# Altium PCB Mynd_Main.PcbDoc (part 4 of 5)
Units mm, origin at the board's own origin, x right, y up, seen from the top; angles counter-clockwise.
Board outline 75 x 136 mm, 4 copper layers (Component Side, Mid Layer 1, Mid Layer 2, Solder Side), stack 1.58 mm thick; 561 components, 261 nets, 1529 pads, 1417 vias.
Unrouted connection lines stored in the file: 7.
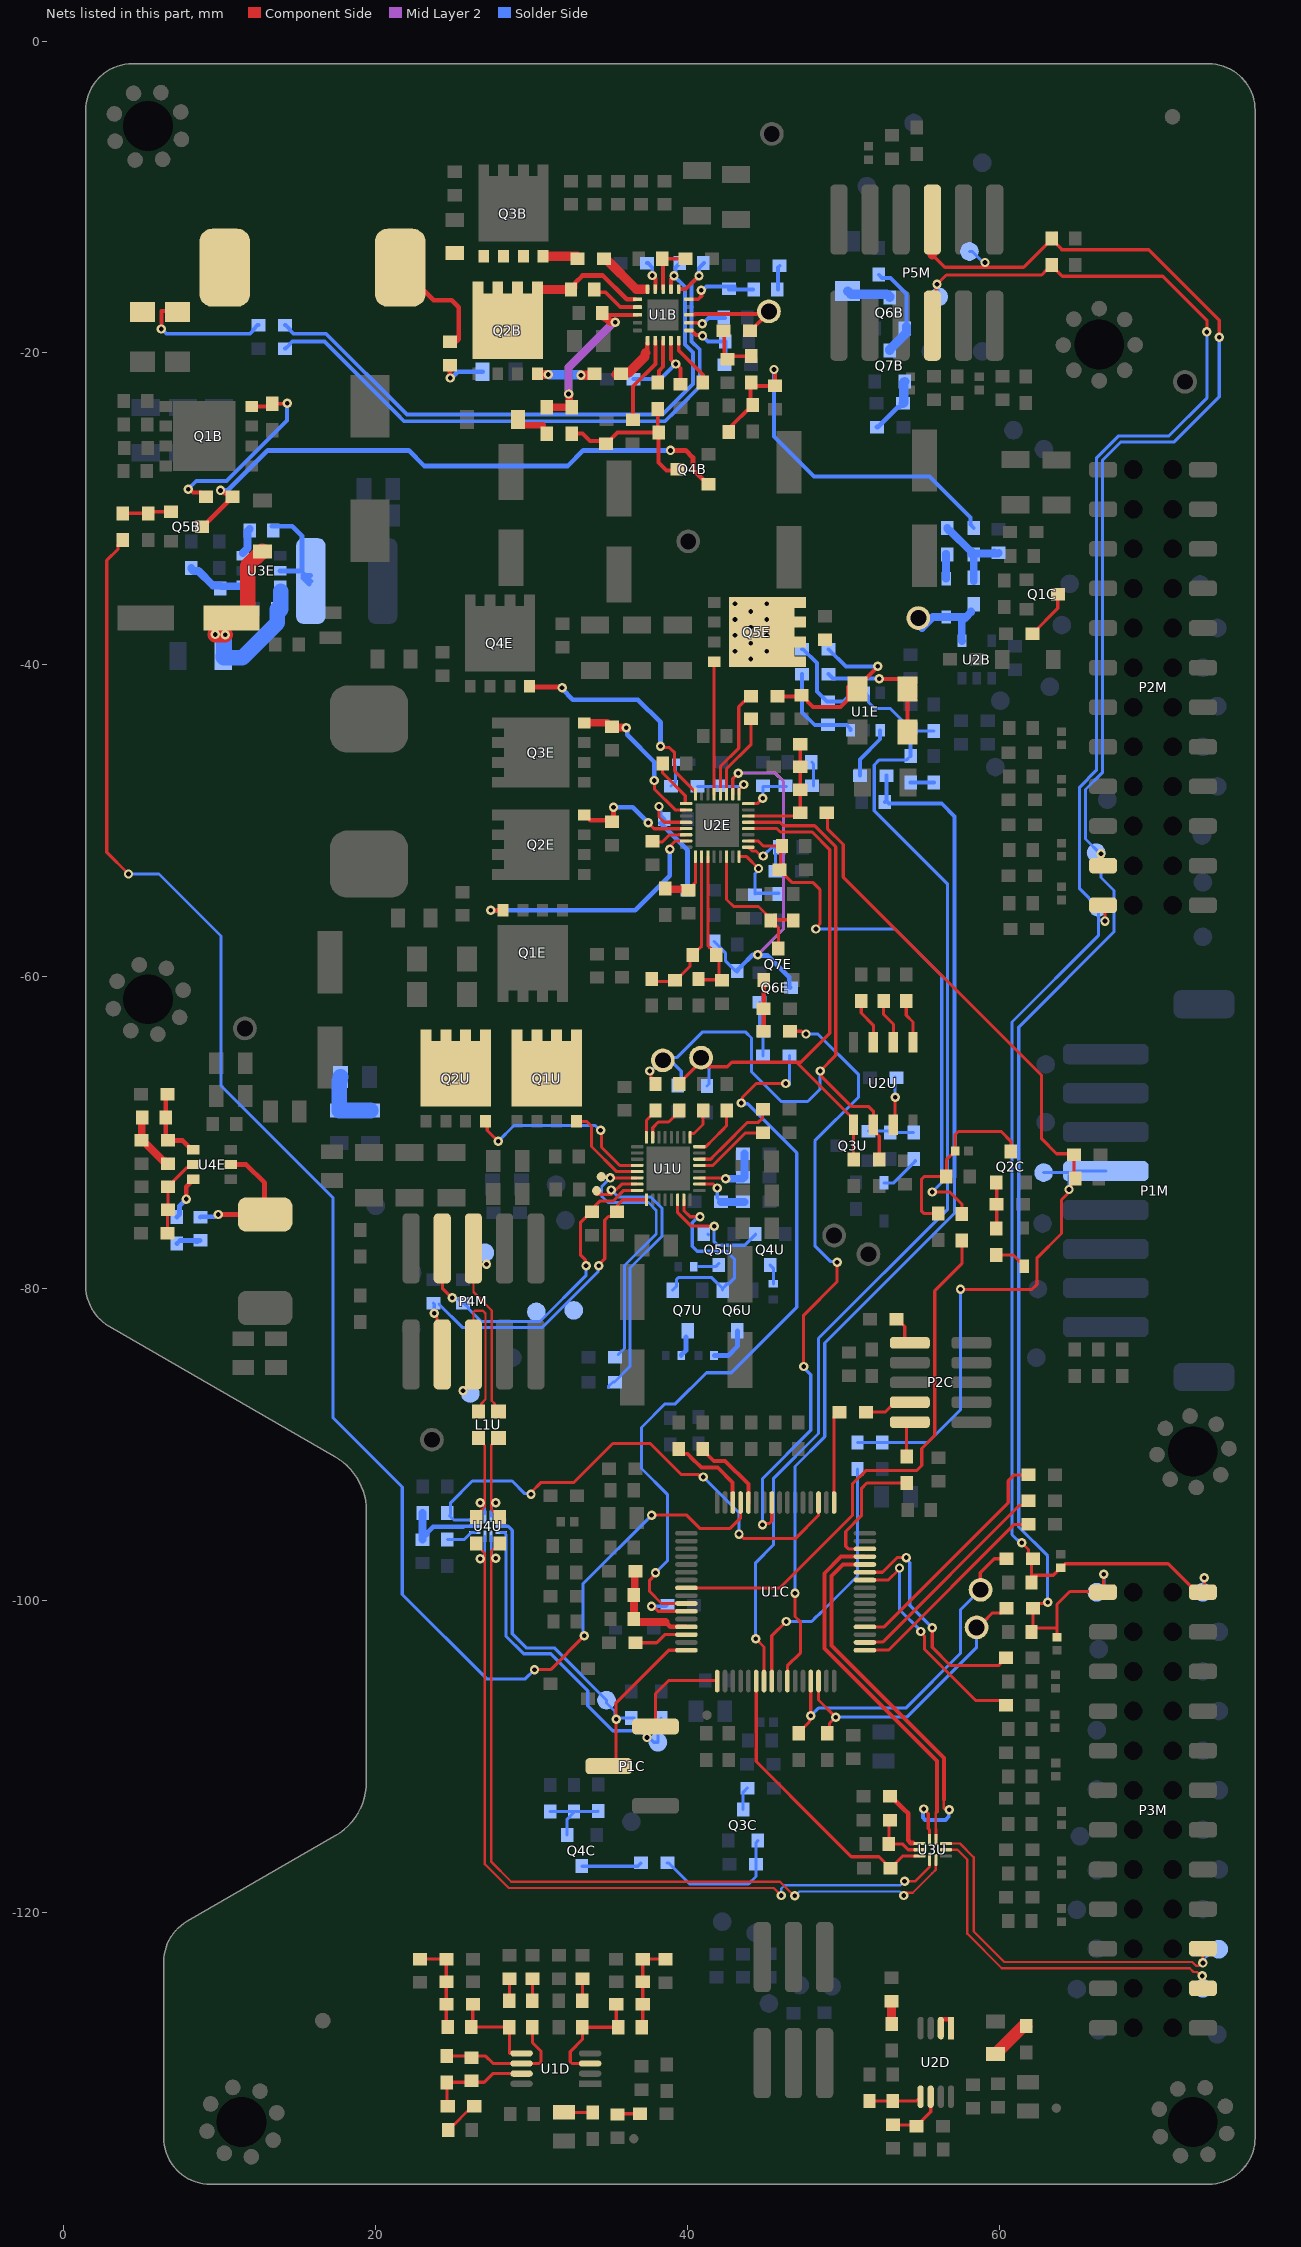
[diagram p6: the nets of this part, all layers, seen from the top]

## Via types
v1: diameter 0.6, hole 0.3, Component Side to Solder Side, tented both sides, 1239 vias
v2: diameter 0.61, hole 0.305, Component Side to Solder Side, tented both sides, 110 vias
v3: diameter 0.7, hole 0.3, Component Side to Solder Side, tented both sides, 50 vias
v4: diameter 0.55, hole 0.25, Component Side to Solder Side, tented both sides, 15 vias
v5: diameter 0.65, hole 0.3, Component Side to Solder Side, tented both sides, 2 vias
v6: diameter 0.55, hole 0.3, Component Side to Solder Side, tented both sides, 1 vias

## Nets (pads, with @x,y where several pads share a name; then routed paths per layer and width w, separated by ;. In a path a pad name is that pad's centre, name@x,y a point inside that pad or via, vN(x,y) a via of type N, cw(c..) or ccw(c..) an arc to the next point about the centre after c; other vN are vias at no path point) (continued)
NetC4C_1: C4C.1 ESD3C.2 FB3C.2 Q2C.D | length 12.3
  Component Side w0.2: FB3C.2@56.067,-75.182 55.157,-75.182 54.992,-75.017 54.992,-73.007 55.192,-72.807 C4C.1@56.597,-72.807 56.597,-71.752 ESD3C.2@57.167,-71.182 57.142,-71.157 57.142,-70.157 57.367,-69.932 60.117,-69.932 60.737,-70.552 Q2C.D@60.737,-71.2
NetC4D_2: C4D.2 R4D.1 | length 1.5
  Component Side w0.2: C4D.2@35.5,-132.93 R4D.1@36.95,-132.93
NetC5D_1: C5D.1 R2D.1 U2D.6 | length 3.8
  Component Side w0.2: C5D.1@53.217,-133.637 54.572,-133.637 R2D.1@54.667,-133.732 55.592,-132.807 U2D.6@55.592,-131.832
NetC6D_1: C6D.1 R5D.1 | length 1.4
  Component Side w0.2: R5D.1@33.25,-125.68 C6D.1@33.25,-124.33
NetC7D_1: C7D.1 R6D.2 | length 1.5
  Component Side w0.6: C7D.1@53.067,-125.707 53.08,-125.72 53.08,-127.169 R6D.2@53.092,-127.182
NetC8D_1: C8D.1 C19D.1 R8D.1 R10D.2 R12D.1 | length 5.8
  Component Side w0.2: C8D.1@37.1,-127.38 37.123,-127.357 R10D.2@37.123,-123.014 37.125,-123.012 C19D.1@38.592,-123.012
NetC8D_2: C8D.2 R5D.2 R8D.2 U1D.3 | length 7.5
  Component Side w0.2: R5D.2@33.25,-127.38 33.25,-128.165 32.472,-128.943 32.472,-129.588 32.589,-129.705 33.196,-129.705 U1D.3@33.75,-129.705 ; R5D.2@33.25,-127.38 C8D.2@35.425,-127.38 ; R8D.2@35.425,-125.905 35.425,-127.305 C8D.2@35.5,-127.38
NetC9D_1: C9D.1 R7D.2 | length 1.8
  Component Side w0.2: C9D.1@32.075,-132.855 R7D.2@33.925,-132.855
NetC10D_1: C10D.1 R13D.2 R15D.2 U1D.7 | length 5.8
  Component Side w0.2: R15D.2@24.575,-132.432 24.575,-130.955 R13D.2@24.55,-130.93 24.575,-130.905 26.95,-130.905 27.5,-130.355 28.58,-130.355
NetC10D_2: C10D.2 R13D.1 R14D.2 U1D.6 | length 8.7
  Component Side w0.2: R13D.1@24.55,-129.23 27.05,-129.23 27.525,-129.705 28.58,-129.705 U1D.6@29.35,-129.705 30.48,-129.705 30.597,-129.588 30.597,-128.913 30.05,-128.366 R14D.2@30.05,-127.38
NetC11D_1: C11D.1 R14D.1 | length 1.4
  Component Side w0.2: R14D.1@30.05,-125.68 C11D.1@30.05,-124.33
NetC12D_2: C12D.2 R15D.1 | length 2.3
  Component Side w0.2: C12D.2@24.662,-133.982 24.662,-133.975 26.205,-132.432 R15D.1@26.317,-132.432
NetC13D_1: C13D.1 R16D.1 | length 1.4
  Component Side w0.2: R16D.1@28.575,-125.68 28.575,-125.03 C13D.1@28.575,-124.33
NetC14D_1: C14D.1 C20D.1 R17D.1 R18D.2 R19D.2 | length 6.1
  Component Side w0.2: C20D.1@22.842,-123.007 24.523,-123.007 R18D.2@24.525,-123.005 24.525,-127.305 C14D.1@24.575,-127.355
NetC14D_2: C14D.2 R16D.2 R17D.2 U1D.5 | length 5.6
  Component Side w0.2: R17D.2@26.225,-125.905 26.225,-127.305 26.175,-127.355 28.55,-127.355 R16D.2@28.575,-127.38 28.575,-129.05 28.58,-129.055
NetC14U_1: C14U.1 R20U.2 U3U.9 | length 3.4
  Component Side w0.2: R20U.2@52.978,-114.094 52.912,-114.16 C14U.1@52.912,-115.618 53.766,-115.618 54.146,-115.998 U3U.9@54.641,-115.998
NetC16E_2: C16E.2 C25E.1 R5E.2 U2E.3 | length 9.3
  Component Side w0.2: R5E.2@40.88,-60.2 41.724,-60.2 42.005,-60.2 42.005,-58.76 C25E.1@41.845,-58.6 ; U2E.3@41.3,-52.3 41.3,-58 41.545,-58.245 41.545,-58.25 C25E.1@41.897,-58.602
NetC17B_1: C17B.1 C24B.1 L1B.2 Q2B.5 Q2B.6 Q2B.7 Q2B.8 Q3B.1 Q3B.2 Q3B.3 R1B.1 U1B.6 | length 13.2
  Component Side w0.3: L1B.2@22.285,-15.087 22.285,-15.2 23.71,-16.624 24.862,-16.624 25.316,-17.079 25.316,-19.129 C17B.1@25.208,-19.237 ; 30.738,-15.882 30.788,-15.932 ; C24B.1@32.617,-16.027 32.788,-15.857 32.788,-15.507 33.263,-15.032 34.567,-15.032 36.092,-16.557 U1B.6@36.633,-16.557
  Component Side w0.6: 30.788,-15.932 C24B.1@32.522,-15.932
NetC17B_2: C17B.2 R7B.2 | length 3.1
  Component Side w0.3: C17B.2@24.767,-20.787 24.767,-21.598 v1(24.776,-21.607)
  Solder Side w0.3: v1(24.776,-21.607) 24.857,-21.607 25.006,-21.458 25.257,-21.207 25.444,-21.207 R7B.2@26.858,-21.207
NetC17E_2: C17E.2 C25E.2 R6E.2 U2E.2 | length 10.1
  Component Side w0.2: R6E.2@37.7,-60.15 37.85,-60.3 38.85,-60.3 39,-60.15 C17E.2@39,-60.1 ; C17E.2@39.2,-60.245 39.25,-60.245 40.145,-59.35 C25E.2@40.145,-58.6 ; C25E.2@40.345,-58.6 40.345,-58.55 40.645,-58.25 40.695,-58.25 40.9,-58.045 U2E.2@40.9,-52.3
NetC18E_2: C18E.2 U2E.30 | length 2.4
  Component Side w0.2: C18E.2@37.75,-51.32 37.797,-51.367 38.383,-51.367 38.84,-50.91 39.411,-50.91 39.421,-50.9 U2E.30@39.9,-50.9
NetC19E_2: C19E.2 Q2E.4 U2E.29 | length 8.2
  Component Side w0.2: v1(37.467,-50.132) 37.847,-50.512 39.588,-50.512 39.6,-50.5 U2E.29@39.895,-50.5
  Component Side w0.3: Q2E.4@33.367,-49.627 33.417,-49.627 33.756,-49.965 C19E.2@35.255,-49.965 ; v1(35.247,-49.136) 35.247,-49.957 C19E.2@35.255,-49.965 ; C19E.2@35.367,-50.077 C19E.2@35.255,-49.965
  Solder Side w0.3: v1(35.247,-49.136) 36.471,-49.136 v1(37.467,-50.132)
NetC19U_1: C19U.1 R28U.2 U4U.9 | length 5.1
  Solder Side w0.2: 25.605,-95.28 25.635,-95.25 U4U.9@26.4,-95.25
  Solder Side w0.3: C19U.1@23.2,-95.855 23.3,-95.755 23.3,-95.655 23.675,-95.28 25.605,-95.28
  Solder Side w0.5: C19U.1@23,-96.005 R28U.2@23,-94.4
NetC20E_1: C20E.1 U2E.25 | length 3.6
  Component Side w0.2: C20E.1@38.122,-46.032 C20E.1@38.422,-46.332 ; C20E.1@38.386,-46.368 38.386,-46.929 39.85,-48.392 U2E.25@39.85,-48.9
NetC21E_1: C21E.1 Q3E.4 U2E.26 | length 10.1
  Component Side w0.2: v1(37.867,-47.424) 37.867,-47.967 39.2,-49.3 U2E.26@39.9,-49.3
  Component Side w0.5: Q3E.4@33.367,-43.722 34.852,-43.722 35.117,-43.987 C21E.1@35.167,-43.987 35.193,-44.013 36.048,-44.013 v1(36.067,-44.032)
  Solder Side w0.3: v1(36.067,-44.032) 36.124,-44.089 36.124,-44.489 37.867,-46.232 v1(37.867,-47.424)
NetC22E_2: C22E.2 R7E.2 U2E.1 | length 3.8
  Component Side w0.2: C22E.2@40.075,-54.4 40.5,-53.975 U2E.1@40.5,-52.3
  Component Side w0.5: R7E.2@38.6,-54.4 C22E.2@40.075,-54.4
NetC23B_1: C23B.1 R5B.2 U1B.1 | length 40
  Component Side w0.25: U1B.1@39.433,-15.907 39.883,-15.907 v1(40.733,-15.057)
  Solder Side w0.25: R5B.2@14.175,-19.715 14.225,-19.715 14.5,-19.44 14.5,-19.412 14.646,-19.265 16.708,-19.265 20.999,-23.557 21.322,-23.88 21.822,-24.38 38.562,-24.38 38.762,-24.18 39.062,-23.88 39.385,-23.557 40.783,-22.159 40.783,-19.782 40.258,-19.257 40.258,-15.532 v1(40.733,-15.057) 40.733,-14.557 C23B.1@41.058,-14.232
NetC23B_2: C23B.2 R6B.2 U1B.2 | length 38.7
  Component Side w0.25: U1B.2@38.933,-15.907 38.933,-15.257 v1(39.133,-15.057)
  Solder Side w0.25: R6B.2@14.175,-18.215 14.225,-18.215 14.5,-18.49 14.5,-18.54 14.725,-18.765 16.816,-18.765 21.842,-23.792 22,-23.95 23.399,-23.95 23.402,-23.95 24.499,-23.95 38.384,-23.95 40.353,-21.981 40.353,-19.977 39.828,-19.452 39.828,-15.752 v1(39.133,-15.057) 39.133,-14.962 39.228,-14.867 39.228,-14.507 C23B.2@39.503,-14.232
NetC23E_1: C23E.1 R2E.2 R3E.2 | length 4.2
  Solder Side w1: C23E.1@17.742,-66.432 17.742,-66.447 17.717,-66.472 17.717,-66.632 17.667,-66.682 R2E.2@17.667,-68.582 R3E.2@19.667,-68.582
NetC24B_2: C24B.2 U1B.7 | length 3.1
  Component Side w0.25: C24B.2@34.083,-16.107 34.733,-16.107 35.683,-17.057 U1B.7@36.783,-17.057
NetC24E_1: C24E.1 C27E.1 Q5E.5 Q5E.6 Q5E.7 Q5E.8 R10E.2 R11E.1 R14E.2 | length 11.8
  Component Side w0.25: R10E.2@46.05,-42.3 R10E.2@45.775,-42.025 47.23,-42.025 C27E.1@47.3,-41.955 48.045,-42.7 49.8,-42.7 50.275,-42.225 R14E.2@50.275,-41.425 ; R14E.2@50.9,-41.565 50.9,-41.415 52.2,-40.115 v1(52.2,-40.1)
  Solder Side w0.25: R11E.1@49.05,-39 50.15,-40.1 v1(52.2,-40.1)
  other v1: 44.059,-39.632 43.043,-39.124 45.075,-39.124 44.059,-38.616 43.043,-38.108 45.075,-38.108 44.059,-37.6 43.043,-37.092 45.075,-37.092 44.059,-36.584 43.043,-36.076 45.075,-36.076
NetC25B_1: C25B.1 R12B.1 R13B.1 U1B.8 | length 11.5
  Component Side w0.25: C25B.1@34.708,-17.557 U1B.8@36.783,-17.557
  Component Side w0.5: R12B.1@30.967,-23.482 R13B.1@32.567,-23.482 ; v1(32.367,-22.632) 32.367,-22.659 32.417,-22.709 32.417,-23.282 32.542,-23.408 R13B.1@32.591,-23.408 ; C25B.1@34.617,-17.582 34.617,-17.687 34.662,-17.732 34.767,-17.732 35.048,-18.013 35.348,-18.013 v1(35.367,-18.032)
  Mid Layer 2 w0.5: v1(32.367,-22.632) 32.367,-20.932 35.248,-18.051 35.348,-18.051 v1(35.367,-18.032)
NetC27B_1: C27B.1 R14B.2 U1B.3 | length 3.4
  Component Side w0.25: U1B.3@38.433,-15.907 38.433,-13.957 R14B.2@39.858,-13.957
NetC28B_1: C28B.1 R16B.1 U1B.16 | length 3.6
  Component Side w0.25: U1B.16@40.258,-18.562 40.536,-18.84 40.894,-18.84 v1(40.961,-18.907)
  Solder Side w0.25: v1(40.961,-18.907) 41.311,-19.257 C28B.1@42.408,-19.257 ; R16B.1@42.433,-20.432 C28B.1@42.433,-19.257
NetC29B_1: C29B.1 R17B.1 R18B.2 | length 3.3
  Component Side w0.2: R17B.1@42.351,-18.867 42.351,-20.191 C29B.1@42.567,-20.407 ; C29B.1@42.467,-20.362 42.622,-20.207 R18B.2@44.042,-20.207
NetC30B_1: C30B.1 R18B.1 R19B.2 R29B.1 R31B.2 | length 26.2
  Component Side w0.25: R31B.2@42.642,-25.057 42.642,-24.857 R29B.1@44.167,-23.332 ; R29B.1@44.042,-23.237 R18B.1@44.042,-21.907 ; R18B.1@44.042,-21.882 44.193,-21.882 44.423,-22.112 C30B.1@45.617,-22.112 45.617,-21.132 v1(45.542,-21.057)
  Solder Side w0.25: v1(45.542,-21.057) 45.542,-25.357 48.117,-27.932 55.517,-27.932 58.135,-30.55 58.135,-31.001 R19B.2@58.35,-31.215
NetC30E_1: C30E.1 R19E.1 U2E.28 | length 8.9
  Component Side w0.2: v1(38.167,-49.087) 38.167,-49.76 38.507,-50.1 U2E.28@39.9,-50.1
  Solder Side w0.3: v1(38.167,-49.087) 38.167,-49.168 38.247,-49.248 38.247,-49.692 38.492,-49.937 38.264,-50.164 40,-51.9 R19E.1@40,-54.45
NetC31B_1: C31B.1 R28B.1 | length 1.6
  Solder Side w0.25: C31B.1@45.808,-15.932 45.808,-14.507 R28B.1@45.908,-14.407
NetC31B_2: C31B.2 C32B.1 U1B.20 | length 4.9
  Component Side w0.25: U1B.20@40.258,-16.557 40.683,-16.557 40.9,-16.34 40.9,-15.995 v1(40.876,-15.972)
  Solder Side w0.25: v1(40.876,-15.972) 40.971,-15.972 41.211,-15.732 C32B.1@43.008,-15.732 ; C32B.1@42.658,-15.932 C31B.2@44.208,-15.932
NetC31E_2: C31E.2 R13E.1 U1C.26 | length 66.7
  Component Side w0.2: U1C.26@46.4,-105.15 46.4,-104.2 47.25,-103.35 47.25,-101.398 46.885,-101.033 v1(46.885,-99.548)
  Solder Side w0.2: v1(46.885,-99.548) 46.885,-91.416 48.8,-89.501 48.8,-83.496 57.12,-75.176 57.12,-72.859
  Solder Side w0.25: C31E.2@52.655,-48.8 C31E.2@52.75,-48.705 ; R13E.1@52.75,-47.1 C31E.2@52.75,-48.705 ; 57.12,-72.859 57.12,-49.72 56.3,-48.9 52.93,-48.9 52.75,-48.72 C31E.2@52.75,-48.705
NetC32E_2: C32E.2 R22E.1 R25E.2 U1C.23 U1E.5 | length 76
  Component Side w0.2: v1(44.367,-102.457) 44.9,-102.99 U1C.23@44.9,-105.15
  Solder Side w0.2: v1(44.367,-102.457) 44.367,-97.583 45.5,-96.45 45.5,-92.2 48.4,-89.3 48.4,-83.2 56.68,-74.92 56.68,-54.071 52.139,-49.53 51.975,-49.366 51.975,-46.425 52.3,-46.1 54.05,-46.1 R22E.1@54.3,-45.85 ; U1E.5@51.4,-41.8 51.6,-42 51.6,-42.4 52,-42.8 52.995,-42.8 54.25,-44.055 C32E.2@54.3,-44.055 54.495,-44.25 R25E.2@55.8,-44.25
  Solder Side w0.25: R22E.1@54.3,-45.85 C32E.2@54.3,-44.055
NetC33B_1: C33B.1 Q4B.D R13B.2 R15B.1 R23B.1 | length 10.8
  Component Side w0.25: R13B.2@32.408,-25.157 33.251,-25.157 33.749,-25.655 34.59,-25.655 R23B.1@34.767,-25.832 35.492,-25.107 C33B.1@38.147,-25.107 38.147,-27.037 38.642,-27.532 39.267,-27.532 Q4B.D@39.342,-27.457 ; C33B.1@38.083,-24.694 R15B.1@38.083,-23.607
NetC33C_1: C33C.1 C34C.1 FB19C.1 U1C.13 | length 6.7
  Component Side w0.3: 38.578,-101.394 38.884,-101.7 U1C.13@39.925,-101.7
  Component Side w0.5: FB19C.1@36.661,-98.146 36.609,-98.199 36.609,-99.618 C34C.1@36.556,-99.67 36.556,-101.244 36.706,-101.394 38.578,-101.394
NetC33E_2: C33E.2 R26E.2 U2E.16 | length 3.3
  Component Side w0.2: U2E.16@43.9,-48.9 44.475,-48.9 v1(44.825,-48.55)
  Solder Side w0.2: v1(44.825,-48.55) C33E.2@44.825,-47.825 ; C33E.2@44.85,-47.8 R26E.2@46.35,-47.8
NetC34E_2: C34E.2 R27E.1 U2E.17 | length 3.8
  Component Side w0.2: U2E.17@43.3,-48.3 43.3,-47.975 v1(43.6,-47.675)
  Solder Side w0.2: R27E.1@40.625,-47.8 42.15,-47.8 43.475,-47.8 v1(43.6,-47.675)
NetC35B_1: C35B.1 R25B.2 U1B.14 | length 6.1
  Component Side w0.25: U1B.14@38.933,-19.207 38.933,-20.407 v1(39.233,-20.707) 39.533,-21.007 C35B.1@39.533,-21.907
  Solder Side w0.25: R25B.2@36.533,-21.682 38.258,-21.682 v1(39.233,-20.707)
NetC35E_2: C35E.2 R26E.1 | length 1.6
  Solder Side w0.2: C35E.2@47.975,-46.25 48.075,-46.35 R26E.1@48.075,-47.775
NetC36B_1: C36B.1 U1B.17 | length 2.3
  Component Side w0.25: U1B.17@40.258,-18.062 40.893,-18.062 v1(40.948,-18.117)
  Solder Side w0.25: v1(40.948,-18.117) 40.973,-18.117 41.333,-17.757 C36B.1@42.408,-17.757
NetC36E_1: C36E.1 R30C.1 R31E.2 U2E.10 | length 35.7
  Component Side w0.2: U2E.10@43.9,-51.3 44.536,-51.3 44.861,-51.625 45.8,-51.625 45.95,-51.775 R31E.2@45.95,-53.175 ; R31E.2@45.9,-53.15 46.72,-53.97 48.05,-53.97 48.484,-54.404 48.484,-56.627 48.23,-56.881 v1(48.23,-56.944) ; v1(55.692,-73.807) 56.817,-73.807 57.592,-74.582 R30C.1@57.592,-75.232
  Solder Side w0.2: v1(48.23,-56.944) 53.31,-56.944 56.3,-59.934 56.3,-73.199 v1(55.692,-73.807)
NetC37B_2: C37B.2 R19B.1 R37B.1 R38B.1 | length 6.1
  Solder Side w0.5: R37B.1@56.651,-31.215 56.651,-31.265 56.801,-31.415 56.851,-31.415 58.151,-32.715 58.2,-32.715 58.2,-32.932 R19B.1@58.265,-32.868 ; R38B.1@58.351,-34.615 58.351,-32.954 R19B.1@58.265,-32.868 ; C37B.2@59.619,-32.834 C37B.2@59.667,-32.787 ; C37B.2@59.951,-32.82 59.903,-32.868 R19B.1@58.265,-32.868
NetC37E_1: C37E.1 R32E.2 U2E.8 | length 4.8
  Component Side w0.2: U2E.8@43.3,-52.3 43.785,-52.3 v1(44.551,-53.065)
  Solder Side w0.2: C37E.1@44.325,-54.7 44.325,-53.399 44.551,-53.174 v1(44.551,-53.065) ; C37E.1@44.325,-54.65 R32E.2@45.85,-54.65
NetC38E_1: C38E.1 R33E.2 U2E.9 | length 3.8
  Component Side w0.2: U2E.9@43.9,-51.7 44.142,-51.942 44.383,-51.942 44.706,-52.265 v1(44.851,-52.265)
  Solder Side w0.2: v1(44.851,-52.265) 44.927,-52.189 45.416,-51.7 45.58,-51.7 45.63,-51.75 45.65,-51.75 R33E.2@45.65,-53.225 R33E.2@45.7,-53.275
NetC39E_1: C39E.1 R27E.2 | length 1.4
  Solder Side w0.2: R27E.2@38.925,-47.775 38.933,-47.775 39.233,-47.475 C39E.1@39.233,-46.49
NetC40E_2: C40E.2 P1M.5 R35E.1 R37E.1 R39E.1 R40E.2 TP3M.1 | length 64.1
  Component Side w0.2: R37E.1@48.925,-49.475 48.963,-49.513 48.963,-50.505 49.982,-51.524 49.982,-53.616 62.708,-66.342 62.708,-70.406 63.659,-71.357 64.714,-71.357 R40E.2@64.779,-71.422 C40E.2@64.779,-72.946 ; v1(57.501,-80.058) 62.092,-80.058 62.4,-79.75 62.4,-78.05 63.978,-76.472 63.978,-74.315 64.465,-73.828 64.465,-73.704 64.574,-73.595 64.574,-73.246 C40E.2@64.874,-72.946
  Solder Side w0.2: R39E.1@50.897,-89.876 R35E.1@52.486,-89.876 55.401,-89.876 57.501,-87.776 v1(57.501,-80.058) ; TP3M.1@62.835,-72.565 P1M.5@64.684,-72.565 ; v1@64.465,-73.812 64.481,-73.797 64.481,-72.767 P1M.5@64.684,-72.565 ; P1M.5@66.822,-72.47 64.779,-72.47 P1M.5@64.684,-72.565
  other v1: 64.465,-73.65
NetC41E_1: C41E.1 U3E.6 | length 1.7
  Solder Side w0.5: U3E.6@11.467,-32.832 11.772,-32.527 11.772,-31.432 C41E.1@11.922,-31.282
NetC41E_2: C41E.2 L2E.1 U3E.2 | length 7.6
  Solder Side w0.3: C41E.2@13.325,-31.107 14.642,-31.107 15.275,-31.74 15.275,-33.974 15.267,-33.982 U3E.2@13.845,-33.982 ; L2E.1@15.317,-34.407 L2E.1@15.734,-34.824 ; L2E.1@15.334,-34.274 L2E.1@15.484,-34.274 ; L2E.1@15.4,-34.191 L2E.1@15.484,-34.274 ; L2E.1@15.834,-34.274 L2E.1@15.484,-34.274 ; L2E.1@15.842,-34.632 L2E.1@15.484,-34.274
NetC42E_1: C42E.1 C43E.1 C44E.1 D1E.K U3E.3 | length 14.9
  Component Side w1: v2(9.7,-38.05) 9.716,-38.065 v2(10.351,-38.065) 9.975,-37.69 9.975,-37.032 10.275,-36.732 C42E.1@10.717,-36.732 ; C42E.1@11.782,-36.432 11.782,-33.639 12.686,-32.735 D1E.K@12.751,-32.735
  Solder Side w1: v2@10.267,-38.149 10.267,-39.382 C43E.1@10.217,-39.432 10.217,-39.5 10.267,-39.55 11.449,-39.55 13.687,-37.312 C44E.1@13.687,-36.432 ; C44E.1@13.777,-36.572 13.917,-36.432 13.917,-35.282
NetC49E_1: C49E.1 R11E.2 U1E.4 | length 5.8
  Solder Side w0.25: R11E.2@47.35,-39 47.4,-39 48.295,-39.895 48.295,-41.7 48.95,-42.355 C49E.1@49,-42.355 49.995,-42.355 50.45,-41.9 U1E.4@50.45,-41.8
NetC49E_2: C49E.2 R21E.1 U1E.3 | length 6.1
  Solder Side w0.25: R21E.1@47.35,-40.6 47.35,-43.05 48.155,-43.855 C49E.2@49,-43.855 50.205,-43.855 50.45,-44.1 U1E.3@50.45,-44.2
NetC51E_1: C51E.1 L3E.1 U4E.2 | length 8.9
  Component Side w0.3: v1(9.9,-75.25) L3E.1@12.9,-75.25 ; U4E.2@10.7,-72.05 11.685,-72.05 12.867,-73.232 L3E.1@12.867,-75.25
  Solder Side w0.3: C51E.1@8.751,-75.42 8.778,-75.393 9.676,-75.393 9.819,-75.25 v1(9.9,-75.25)
NetC51E_2: C51E.2 R47E.1 | length 1.7
  Solder Side w0.3: R47E.1@7.25,-77.115 7.445,-76.92 C51E.2@8.751,-76.92 ; C51E.2@8.466,-77.005 C51E.2@8.57,-77.005
NetC55E_1: C55E.1 R48E.2 R51E.1 | length 3.4
  Component Side w0.5: R51E.1@4.965,-70.504 4.993,-70.475 4.993,-69.061 C55E.1@5.022,-69.032 ; R51E.1@5.2,-70.65 6.465,-71.915 6.465,-71.84 R48E.2@6.552,-71.84
NetC55E_2: C55E.2 R49E.1 R51E.2 U4E.4 | length 5.1
  Component Side w0.3: R49E.1@6.65,-67.55 6.522,-67.678 C55E.2@6.522,-69.032 R51E.2@6.522,-70.317 ; R51E.2@6.665,-70.317 R51E.2@6.522,-70.317 ; U4E.4@8.3,-71.1 8.2,-71.1 7.604,-70.504 R51E.2@6.665,-70.504 6.522,-70.361 R51E.2@6.522,-70.317
NetD1B_K: D1B.K R12B.2 | length 1.9
  Component Side w0.4: D1B.K@28.943,-24.312 29.263,-24.632 30.718,-24.632
NetD1U_K: D1U.K R8U.1 | length 2.6
  Solder Side w0.2: D1U.K@52.6,-73.225 53.225,-73.225 54.6,-71.85 R8U.1@54.6,-71.8
NetD2B_A: D2B.A R38B.2 TP4B.1 U2B.4 | length 5.5
  Solder Side w0.5: TP4B.1@54.717,-37.467 TP4B.1@54.783,-37.467 ; TP4B.1@55.033,-37.632 55.733,-36.932 D2B.A@56.579,-36.932 57.867,-36.932 ; U2B.4@57.601,-38.465 57.583,-38.448 57.583,-37.216 57.867,-36.932 ; 58.167,-36.582 58.167,-36.632 57.867,-36.932
  Solder Side w1: TP4B.1@54.8,-37 TP4B.1@54.901,-37.101
NetD2B_K: D2B.K R37B.2 | length 1.6
  Solder Side w0.5: R37B.2@56.567,-32.882 56.573,-32.888 56.573,-34.476 D2B.K@56.579,-34.482
NetD3C_K: D3C.K R31C.1 | length 2.1
  Component Side w0.2: R31C.1@59.8,-77.85 60.875,-77.85 D3C.K@61.6,-78.575
NetFB1D_1: FB1D.1 R20D.1 | length 2.7
  Component Side w0.8: R20D.1@59.742,-129.107 61.542,-127.307 FB1D.1@61.717,-127.307
NetL1B_1: L1B.1 R2B.2 R4B.2 R6B.1 | length 8.8
  Component Side w0.25: v1(6.251,-18.465) 6.251,-17.312 7.237,-17.312 R4B.2@7.292,-17.257
  Solder Side w0.25: v1(6.251,-18.465) 6.272,-18.465 6.572,-18.765 11.925,-18.765 12.15,-18.54 12.15,-18.49 12.425,-18.215 R6B.1@12.475,-18.215
NetP2C_2: P2C.2 R25C.2 | length 2.2
  Component Side w0.2: R25C.2@54.05,-90.775 P2C.2@54.05,-88.59
NetP2C_4: P2C.4 R26C.2 | length 3
  Component Side w0.2: R26C.2@51.5,-87.925 52.677,-87.925 53.305,-87.297 P2C.4@54.256,-87.297
NetP2C_10: P2C.10 R27C.2 | length 1.8
  Component Side w0.2: R27C.2@53.398,-81.963 53.448,-81.963 53.925,-82.44 P2C.10@53.925,-83.51
NetQ1B_4: Q1B.4 R3B.2 R9B.1 | length 13
  Component Side w0.25: v1(7.967,-28.732) 8.062,-28.732 8.287,-28.957 8.842,-28.957 R9B.1@9.117,-29.232 ; Q1B.4@12.042,-23.427 13.197,-23.427 R3B.2@13.367,-23.257 14.292,-23.257 v1(14.317,-23.232)
  Solder Side w0.25: v1(7.967,-28.732) 8.488,-28.211 10.433,-28.211 14.317,-24.327 v1(14.317,-23.232)
NetQ1C_D: Q1C.D R1C.2 | length 3.2
  Component Side w0.2: R1C.2@62.117,-38.007 63.742,-36.382 Q1C.D@63.742,-35.482
NetQ1E_4: Q1E.4 U2E.31 | length 16.4
  Component Side w0.2: v1(38.867,-51.832) 38.944,-51.755 38.944,-51.556 39.2,-51.3 U2E.31@39.9,-51.3 U2E.31@40.072,-51.3
  Component Side w0.3: v1(27.367,-55.732) Q1E.4@28.167,-55.732
  Solder Side w0.3: v1(27.367,-55.732) 36.651,-55.732 38.851,-53.532 38.851,-51.848 v1(38.867,-51.832)
NetQ1U_4: Q1U.4 U1U.21 | length 6
  Component Side w0.2: Q1U.4@32.872,-69.282 33.517,-69.282 33.84,-69.605 33.84,-70.89 35.458,-72.508 U1U.21@36.762,-72.508
NetQ1U_5: Q1U.5 Q1U.6 Q1U.7 Q1U.8 Q2U.5 Q2U.6 Q2U.7 Q2U.8
NetQ2B_4: Q2B.4 R10B.2 | length 3.7
  Component Side w0.6: Q2B.4@30.367,-21.332 30.417,-21.382 v1(31.062,-21.382) ; v1(33.167,-21.432) 33.917,-21.432 R10B.2@34.017,-21.332
  Solder Side w0.25: v1(31.062,-21.382) v1@31.087,-21.407 ; v1@33.142,-21.407 v1(33.167,-21.432)
  Solder Side w0.6: v1@31.087,-21.407 v1@33.142,-21.407